# KiCad board hvd-68-vhdci-panel.kicad_pcb (continued)
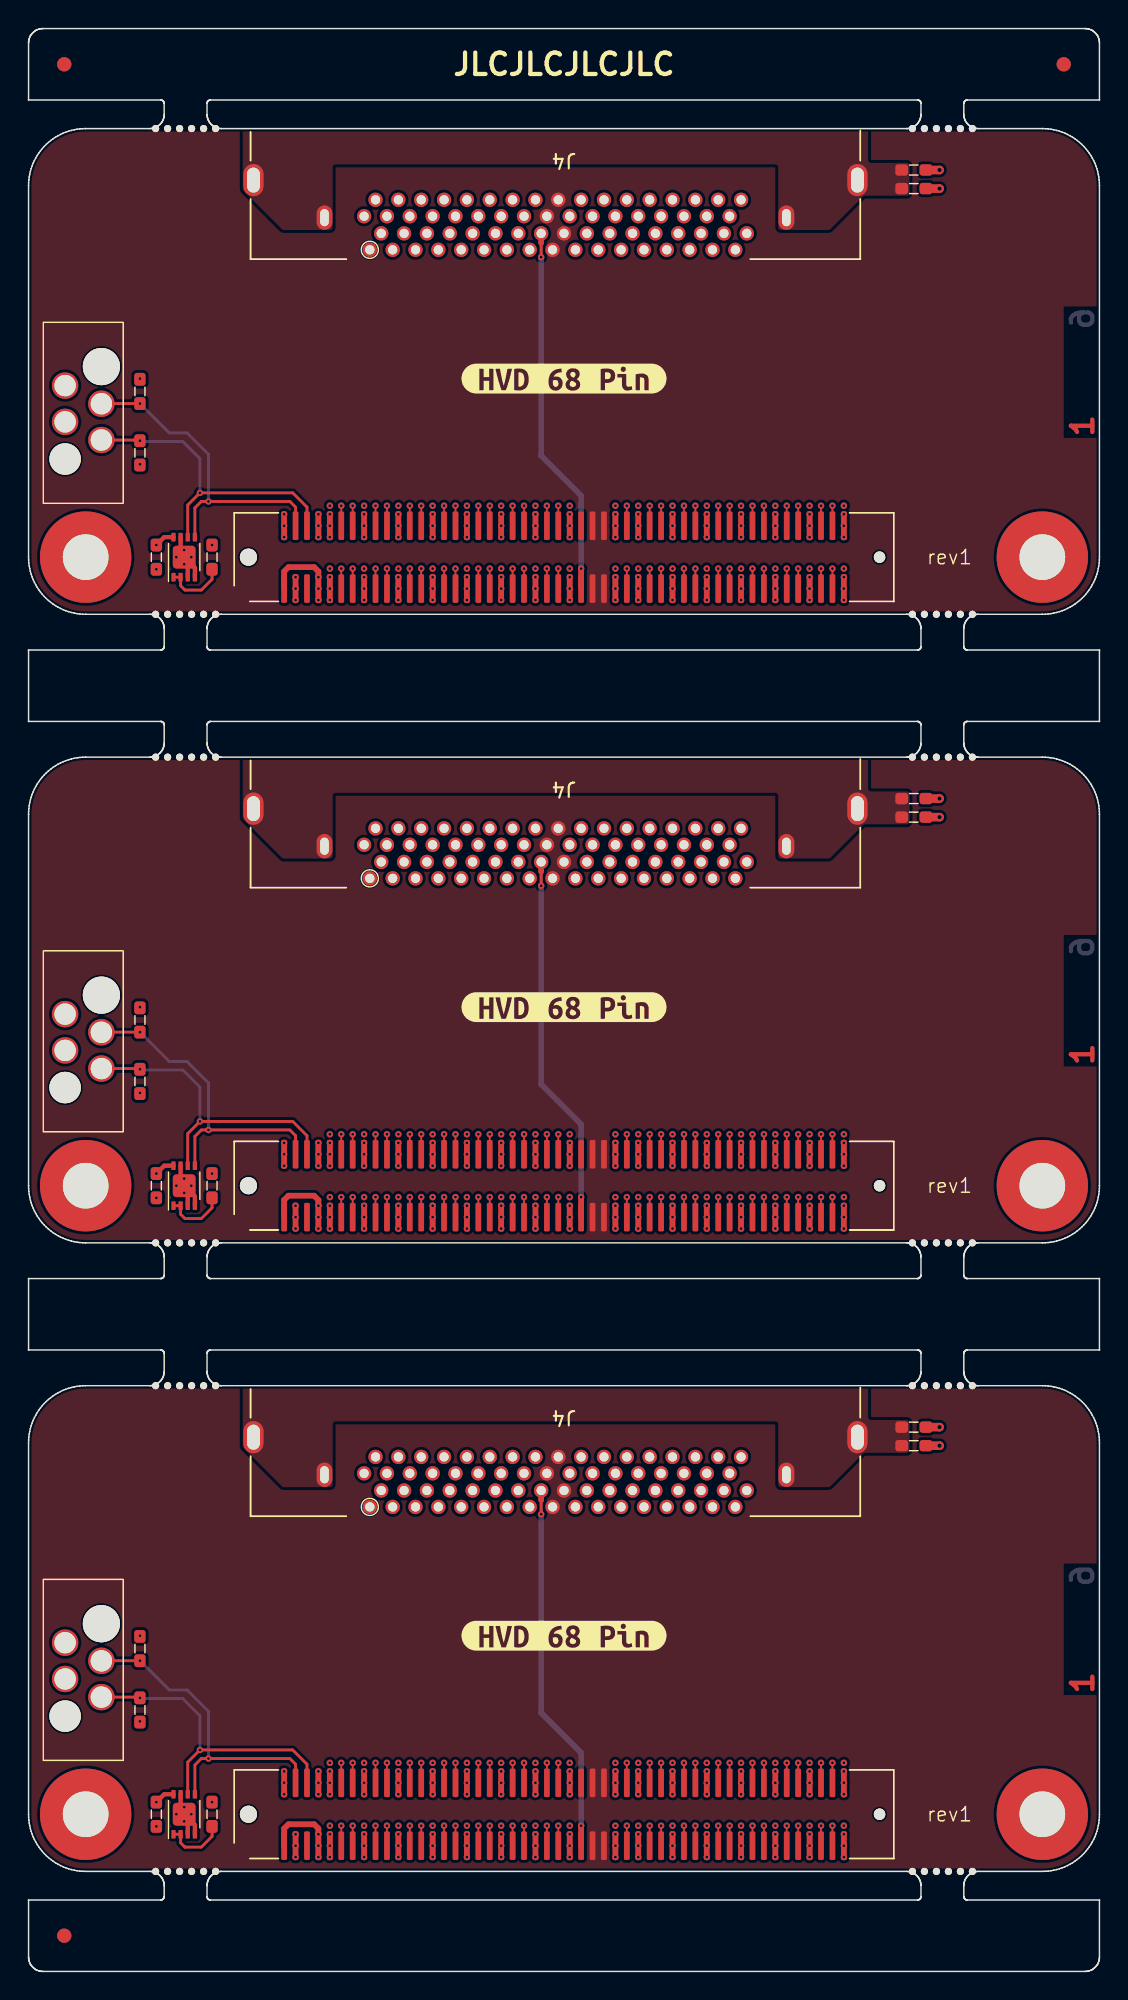
[diagram p0: board, top side]
## Routing (per net, layer and track width the routed paths; a pad name or vN(x,y) marks a point on that pad's centre or on a via; arc(x,y) is an arc through that point) (continued)
Board_1-/CON.DB13+: length 29.6
  Top w0.128: J1#2.13 v1(22.7,54.2)
  In3.Cu w0.128: v1(22.7,54.2) 23,54.5 23,58.9 24.9,60.8 24.9,62 arc(24.96,62.16) 25.12,62.22 arc(25.28,62.29) 25.34,62.44 25.34,62.6 arc(25.28,62.76) 25.12,62.82 arc(24.96,62.89) 24.9,63.04 24.9,63.2 arc(24.96,63.36) 25.12,63.42 arc(25.28,63.49) 25.34,63.64 25.34,63.8 arc(25.28,63.96) 25.12,64.02 arc(24.96,64.09) 24.9,64.24 24.9,64.4 arc(24.96,64.56) 25.12,64.62 arc(25.28,64.69) 25.34,64.84 25.34,65 arc(25.28,65.16) 25.12,65.22 arc(24.96,65.29) 24.9,65.44 24.9,65.6 arc(24.96,65.76) 25.12,65.82 arc(25.28,65.89) 25.34,66.04 25.34,66.2 arc(25.28,66.36) 25.12,66.42 arc(24.96,66.49) 24.9,66.64 24.9,66.8 arc(24.97,66.97) 25.14,67.04 25.15,67.04 arc(25.32,67.11) 25.39,67.28 25.39,67.4 arc(25.32,67.57) 25.15,67.64 25.14,67.64 arc(24.97,67.71) 24.9,67.88 24.9,68 arc(24.97,68.17) 25.14,68.24 25.15,68.24 arc(25.32,68.31) 25.39,68.48 25.39,68.6 arc(25.32,68.77) 25.15,68.84 25.14,68.84 arc(24.97,68.91) 24.9,69.08 24.9,69.2 arc(24.97,69.37) 25.14,69.44 25.15,69.44 arc(25.32,69.51) 25.39,69.68 25.39,69.8 arc(25.32,69.97) 25.15,70.04 25.14,70.04 arc(24.97,70.11) 24.9,70.28 24.9,76.1 24.7,76.3 J4#3.2
Board_1-/CON.DB13-: length 27
  Top w0.128: J1#2.14 v1(22.7,58.6)
  In2.Cu w0.128: J4#3.36 24.3,78.2 24.1,78 24.1,77.46 24.9,76.66 24.9,67.88 arc(24.97,67.71) 25.14,67.64 25.15,67.64 arc(25.32,67.57) 25.39,67.4 25.39,67.28 arc(25.32,67.11) 25.15,67.04 25.14,67.04 arc(24.97,66.97) 24.9,66.8 24.9,66.68 arc(24.97,66.51) 25.14,66.44 25.15,66.44 arc(25.32,66.37) 25.39,66.2 25.39,66.08 arc(25.32,65.91) 25.15,65.84 25.14,65.84 arc(24.97,65.77) 24.9,65.6 24.9,65.48 arc(24.97,65.31) 25.14,65.24 25.15,65.24 arc(25.32,65.17) 25.39,65 25.39,64.88 arc(25.32,64.71) 25.15,64.64 25.14,64.64 arc(24.97,64.57) 24.9,64.4 24.9,64.28 arc(24.97,64.11) 25.14,64.04 25.15,64.04 arc(25.32,63.97) 25.39,63.8 25.39,63.68 arc(25.32,63.51) 25.15,63.44 25.14,63.44 arc(24.97,63.37) 24.9,63.2 24.9,63.08 arc(24.97,62.91) 25.14,62.84 25.15,62.84 arc(25.32,62.77) 25.39,62.6 25.39,62.48 arc(25.32,62.31) 25.15,62.24 25.14,62.24 arc(24.97,62.17) 24.9,62 24.9,60.8 v1(22.7,58.6)
Board_1-/CON.DB14+: length 29.6
  Top w0.128: J1#2.17 v1(24.3,54.2)
  In3.Cu w0.128: v1(24.3,54.2) 24.7,54.6 24.7,59 26.1,60.4 26.1,62 arc(26.03,62.17) 25.86,62.24 25.85,62.24 arc(25.68,62.31) 25.61,62.48 25.61,62.6 arc(25.68,62.77) 25.85,62.84 25.86,62.84 arc(26.03,62.91) 26.1,63.08 26.1,63.2 arc(26.03,63.37) 25.86,63.44 25.85,63.44 arc(25.68,63.51) 25.61,63.68 25.61,63.8 arc(25.68,63.97) 25.85,64.04 25.86,64.04 arc(26.03,64.11) 26.1,64.28 26.1,64.4 arc(26.03,64.57) 25.86,64.64 25.85,64.64 arc(25.68,64.71) 25.61,64.88 25.61,65 arc(25.68,65.17) 25.85,65.24 25.86,65.24 arc(26.03,65.31) 26.1,65.48 26.1,65.6 arc(26.03,65.77) 25.86,65.84 25.85,65.84 arc(25.68,65.91) 25.61,66.08 25.61,66.2 arc(25.68,66.37) 25.85,66.44 25.86,66.44 arc(26.03,66.51) 26.1,66.68 26.1,66.8 arc(26.04,66.95) 25.88,67.02 arc(25.73,67.08) 25.67,67.23 25.67,67.4 arc(25.73,67.55) 25.88,67.62 arc(26.04,67.68) 26.1,67.83 26.1,68 arc(26.04,68.15) 25.88,68.22 arc(25.73,68.28) 25.67,68.43 25.67,68.6 arc(25.73,68.75) 25.88,68.82 arc(26.04,68.88) 26.1,69.03 26.1,69.2 arc(26.04,69.35) 25.88,69.42 arc(25.73,69.48) 25.67,69.63 25.67,69.8 arc(25.73,69.95) 25.88,70.02 arc(26.04,70.08) 26.1,70.23 26.1,70.4 arc(26.03,70.57) 25.86,70.64 25.85,70.64 arc(25.68,70.71) 25.61,70.88 25.61,71 arc(25.68,71.17) 25.85,71.24 25.86,71.24 arc(26.03,71.31) 26.1,71.48 26.1,71.6 arc(26.03,71.77) 25.86,71.84 25.85,71.84 arc(25.68,71.91) 25.61,72.08 25.61,72.2 arc(25.68,72.37) 25.85,72.44 25.86,72.44 arc(26.03,72.51) 26.1,72.68 26.1,75.92 J4#3.3
Board_1-/CON.DB14-: length 27
  Top w0.128: J1#2.18 v1(24.3,58.6)
  In2.Cu w0.128: v1(24.3,58.6) 26.1,60.4 26.1,62 arc(26.04,62.15) 25.89,62.22 arc(25.73,62.28) 25.67,62.43 25.67,62.6 arc(25.73,62.75) 25.89,62.82 arc(26.04,62.88) 26.1,63.03 26.1,63.2 arc(26.04,63.35) 25.89,63.42 arc(25.73,63.48) 25.67,63.63 25.67,63.8 arc(25.73,63.95) 25.89,64.02 arc(26.04,64.08) 26.1,64.23 26.1,64.4 arc(26.04,64.55) 25.89,64.62 arc(25.73,64.68) 25.67,64.83 25.67,65 arc(25.73,65.15) 25.89,65.22 arc(26.04,65.28) 26.1,65.43 26.1,65.6 arc(26.04,65.75) 25.89,65.82 arc(25.73,65.88) 25.67,66.03 25.67,66.2 arc(25.73,66.35) 25.89,66.42 arc(26.04,66.48) 26.1,66.63 26.1,66.8 arc(26.04,66.95) 25.89,67.02 arc(25.73,67.08) 25.67,67.23 25.67,67.4 arc(25.73,67.55) 25.89,67.62 arc(26.04,67.68) 26.1,67.83 26.1,68 arc(26.03,68.17) 25.86,68.24 25.85,68.24 arc(25.68,68.31) 25.61,68.48 25.61,68.6 arc(25.68,68.77) 25.85,68.84 25.86,68.84 arc(26.03,68.91) 26.1,69.08 26.1,69.2 arc(26.03,69.37) 25.86,69.44 25.85,69.44 arc(25.68,69.51) 25.61,69.68 25.61,69.8 arc(25.68,69.97) 25.85,70.04 25.86,70.04 arc(26.03,70.11) 26.1,70.28 26.1,70.4 arc(26.03,70.57) 25.86,70.64 25.85,70.64 arc(25.68,70.71) 25.61,70.88 25.61,71 arc(25.68,71.17) 25.85,71.24 25.86,71.24 arc(26.03,71.31) 26.1,71.48 26.1,76.7 25.3,77.5 25.3,78 25.1,78.2 J4#3.37
Board_1-/CON.DB15+: length 29.6
  Top w0.128: J1#2.19 v1(25.1,54.2)
  In3.Cu w0.128: J4#3.4 26.3,76.3 26.5,76.1 26.5,70.28 arc(26.57,70.11) 26.74,70.04 26.76,70.04 arc(26.93,69.97) 27,69.8 27,69.68 arc(26.93,69.51) 26.76,69.44 26.74,69.44 arc(26.57,69.37) 26.5,69.2 26.5,69.08 arc(26.57,68.91) 26.74,68.84 26.76,68.84 arc(26.93,68.77) 27,68.6 27,68.48 arc(26.93,68.31) 26.76,68.24 26.74,68.24 arc(26.57,68.17) 26.5,68 26.5,67.88 arc(26.57,67.71) 26.74,67.64 26.76,67.64 arc(26.93,67.57) 27,67.4 27,67.28 arc(26.93,67.11) 26.76,67.04 26.74,67.04 arc(26.57,66.97) 26.5,66.8 26.5,66.68 arc(26.57,66.51) 26.74,66.44 26.76,66.44 arc(26.93,66.37) 27,66.2 27,66.08 arc(26.93,65.91) 26.76,65.84 26.74,65.84 arc(26.57,65.77) 26.5,65.6 26.5,65.48 arc(26.57,65.31) 26.74,65.24 26.76,65.24 arc(26.93,65.17) 27,65 27,64.88 arc(26.93,64.71) 26.76,64.64 26.74,64.64 arc(26.57,64.57) 26.5,64.4 26.5,64.28 arc(26.57,64.11) 26.74,64.04 26.76,64.04 arc(26.93,63.97) 27,63.8 27,63.68 arc(26.93,63.51) 26.76,63.44 26.74,63.44 arc(26.57,63.37) 26.5,63.2 26.5,63.08 arc(26.57,62.91) 26.74,62.84 26.76,62.84 arc(26.93,62.77) 27,62.6 27,62.48 arc(26.93,62.31) 26.76,62.24 26.74,62.24 arc(26.57,62.17) 26.5,62 26.5,60 25.4,58.9 25.4,54.5 v1(25.1,54.2)
Board_1-/CON.DB15-: length 27
  Top w0.128: J1#2.20 v1(25.1,58.6)
  In2.Cu w0.128: J4#3.38 25.9,78.2 25.7,78 25.7,77.46 26.5,76.66 26.5,69.01 arc(26.56,68.87) 26.7,68.81 arc(26.85,68.75) 26.91,68.6 26.91,68.41 arc(26.85,68.27) 26.7,68.21 arc(26.56,68.15) 26.5,68 26.5,67.87 arc(26.57,67.71) 26.74,67.64 arc(26.9,67.57) 26.97,67.4 26.97,67.27 arc(26.9,67.11) 26.74,67.04 arc(26.57,66.97) 26.5,66.8 26.5,66.67 arc(26.57,66.51) 26.74,66.44 arc(26.9,66.37) 26.97,66.2 26.97,66.07 arc(26.9,65.91) 26.74,65.84 arc(26.57,65.77) 26.5,65.6 26.5,65.47 arc(26.57,65.31) 26.74,65.24 arc(26.9,65.17) 26.97,65 26.97,64.87 arc(26.9,64.71) 26.74,64.64 arc(26.57,64.57) 26.5,64.4 26.5,64.27 arc(26.57,64.11) 26.74,64.04 arc(26.9,63.97) 26.97,63.8 26.97,63.67 arc(26.9,63.51) 26.74,63.44 arc(26.57,63.37) 26.5,63.2 26.5,63.07 arc(26.57,62.91) 26.74,62.84 arc(26.9,62.77) 26.97,62.6 26.97,62.47 arc(26.9,62.31) 26.74,62.24 arc(26.57,62.17) 26.5,62 26.5,60 v1(25.1,58.6)
Board_1-/CON.DIFFSENSE: length 27.7
  Top w0.2: 35.9,77 v1(35.9,76)
  Top w0.4: J1#2.53 v1(38.7,54.2) ; J4#3.16 35.9,77
  Bottom w0.2: 35.9,77 v1(35.9,76)
  Bottom w0.4: J4#3.16 35.9,77 ; v1(38.7,54.2) 38.7,59.3 35.9,62.1 v1(35.9,76)
Board_1-/CON.DP0+: length 29.6
  Top w0.128: J1#2.49 v1(37.1,54.2)
  In3.Cu w0.128: v1(37.1,54.2) 36.7,54.6 36.7,59 34.5,61.2 34.5,62 arc(34.57,62.17) 34.74,62.24 34.75,62.24 arc(34.92,62.31) 34.99,62.48 34.99,62.6 arc(34.92,62.77) 34.75,62.84 34.74,62.84 arc(34.57,62.91) 34.5,63.08 34.5,63.2 arc(34.57,63.37) 34.74,63.44 34.75,63.44 arc(34.92,63.51) 34.99,63.68 34.99,63.8 arc(34.92,63.97) 34.75,64.04 34.74,64.04 arc(34.57,64.11) 34.5,64.28 34.5,64.4 arc(34.57,64.57) 34.74,64.64 34.75,64.64 arc(34.92,64.71) 34.99,64.88 34.99,65 arc(34.92,65.17) 34.75,65.24 34.74,65.24 arc(34.57,65.31) 34.5,65.48 34.5,65.6 arc(34.57,65.77) 34.74,65.84 34.75,65.84 arc(34.92,65.91) 34.99,66.08 34.99,66.2 arc(34.92,66.37) 34.75,66.44 34.74,66.44 arc(34.57,66.51) 34.5,66.68 34.5,66.8 arc(34.57,66.97) 34.74,67.04 34.75,67.04 arc(34.92,67.11) 34.99,67.28 34.99,67.4 arc(34.92,67.57) 34.75,67.64 34.74,67.64 arc(34.57,67.71) 34.5,67.88 34.5,68 arc(34.57,68.17) 34.74,68.24 34.75,68.24 arc(34.92,68.31) 34.99,68.48 34.99,68.6 arc(34.92,68.77) 34.75,68.84 34.74,68.84 arc(34.57,68.91) 34.5,69.08 34.5,69.2 arc(34.57,69.37) 34.74,69.44 34.75,69.44 arc(34.92,69.51) 34.99,69.68 34.99,69.8 arc(34.92,69.97) 34.75,70.04 34.74,70.04 arc(34.57,70.11) 34.5,70.28 34.5,70.4 arc(34.57,70.57) 34.74,70.64 34.75,70.64 arc(34.92,70.71) 34.99,70.88 34.99,71 arc(34.92,71.17) 34.75,71.24 34.74,71.24 arc(34.57,71.31) 34.5,71.48 34.5,75.92 J4#3.15
Board_1-/CON.DP0-: length 27
  Top w0.128: J1#2.50 v1(37.1,58.6)
  In2.Cu w0.128: J4#3.49 34.7,78.2 34.9,78 34.9,77.3 34.5,76.9 34.5,70.28 arc(34.57,70.11) 34.74,70.04 34.75,70.04 arc(34.92,69.97) 34.99,69.8 34.99,69.68 arc(34.92,69.51) 34.75,69.44 34.74,69.44 arc(34.57,69.37) 34.5,69.2 34.5,69.08 arc(34.57,68.91) 34.74,68.84 34.75,68.84 arc(34.92,68.77) 34.99,68.6 34.99,68.48 arc(34.92,68.31) 34.75,68.24 34.74,68.24 arc(34.57,68.17) 34.5,68 34.5,67.88 arc(34.57,67.71) 34.74,67.64 34.75,67.64 arc(34.92,67.57) 34.99,67.4 34.99,67.28 arc(34.92,67.11) 34.75,67.04 34.74,67.04 arc(34.57,66.97) 34.5,66.8 34.5,66.68 arc(34.57,66.51) 34.74,66.44 34.75,66.44 arc(34.92,66.37) 34.99,66.2 34.99,66.08 arc(34.92,65.91) 34.75,65.84 34.74,65.84 arc(34.57,65.77) 34.5,65.6 34.5,65.48 arc(34.57,65.31) 34.74,65.24 34.75,65.24 arc(34.92,65.17) 34.99,65 34.99,64.88 arc(34.92,64.71) 34.75,64.64 34.74,64.64 arc(34.57,64.57) 34.5,64.4 34.5,64.28 arc(34.57,64.11) 34.74,64.04 34.75,64.04 arc(34.92,63.97) 34.99,63.8 34.99,63.68 arc(34.92,63.51) 34.75,63.44 34.74,63.44 arc(34.57,63.37) 34.5,63.2 34.5,63.08 arc(34.57,62.91) 34.74,62.84 34.75,62.84 arc(34.92,62.77) 34.99,62.6 34.99,62.48 arc(34.92,62.31) 34.75,62.24 34.74,62.24 arc(34.57,62.17) 34.5,62 34.5,61.2 v1(37.1,58.6)
Board_1-/CON.DP1+: length 29.6
  Top w0.128: J1#2.23 v1(26.7,54.2)
  In3.Cu w0.128: J4#3.5 27.7,75.92 27.7,75.08 arc(27.63,74.91) 27.46,74.84 27.45,74.84 arc(27.29,74.77) 27.21,74.6 27.21,74.48 arc(27.29,74.31) 27.45,74.24 27.46,74.24 arc(27.63,74.17) 27.7,74 27.7,73.88 arc(27.63,73.71) 27.46,73.64 27.45,73.64 arc(27.29,73.57) 27.21,73.4 27.21,73.28 arc(27.29,73.11) 27.45,73.04 27.46,73.04 arc(27.63,72.97) 27.7,72.8 27.7,72.68 arc(27.63,72.51) 27.46,72.44 27.45,72.44 arc(27.29,72.37) 27.21,72.2 27.21,72.08 arc(27.29,71.91) 27.45,71.84 27.46,71.84 arc(27.63,71.77) 27.7,71.6 27.7,71.48 arc(27.63,71.31) 27.46,71.24 27.45,71.24 arc(27.29,71.17) 27.21,71 27.21,70.88 arc(27.29,70.71) 27.45,70.64 27.46,70.64 arc(27.63,70.57) 27.7,70.4 27.7,70.18 arc(27.65,70.04) 27.51,69.99 arc(27.38,69.93) 27.33,69.8 27.33,69.58 arc(27.38,69.44) 27.51,69.39 arc(27.65,69.33) 27.7,69.2 27.7,68.98 arc(27.65,68.84) 27.51,68.79 arc(27.38,68.73) 27.33,68.6 27.33,68.38 arc(27.38,68.24) 27.51,68.19 arc(27.65,68.13) 27.7,68 27.7,67.78 arc(27.65,67.64) 27.51,67.59 arc(27.38,67.53) 27.33,67.4 27.33,67.18 arc(27.38,67.04) 27.51,66.99 arc(27.65,66.93) 27.7,66.8 27.7,66.58 arc(27.65,66.44) 27.51,66.39 arc(27.38,66.33) 27.33,66.2 27.33,65.98 arc(27.38,65.84) 27.51,65.79 arc(27.65,65.73) 27.7,65.6 27.7,65.38 arc(27.65,65.24) 27.51,65.19 arc(27.38,65.13) 27.33,65 27.33,64.78 arc(27.38,64.64) 27.51,64.59 arc(27.65,64.53) 27.7,64.4 27.7,64.18 arc(27.65,64.04) 27.51,63.99 arc(27.38,63.93) 27.33,63.8 27.33,63.58 arc(27.38,63.44) 27.51,63.39 arc(27.65,63.33) 27.7,63.2 27.7,62.98 arc(27.65,62.84) 27.51,62.79 arc(27.38,62.73) 27.33,62.6 27.33,62.38 arc(27.38,62.24) 27.51,62.19 arc(27.65,62.13) 27.7,62 27.7,59.6 27.1,59 27.1,54.6 v1(26.7,54.2)
Board_1-/CON.DP1-: length 27
  Top w0.128: J1#2.24 v1(26.7,58.6)
  In2.Cu w0.128: v1(26.7,58.6) 27.7,59.6 27.7,62 arc(27.64,62.15) 27.5,62.21 arc(27.35,62.26) 27.29,62.41 27.29,62.6 arc(27.35,62.75) 27.5,62.81 arc(27.64,62.86) 27.7,63.01 27.7,63.2 arc(27.64,63.35) 27.5,63.41 arc(27.35,63.46) 27.29,63.61 27.29,63.8 arc(27.35,63.95) 27.5,64.01 arc(27.64,64.06) 27.7,64.21 27.7,64.4 arc(27.64,64.55) 27.5,64.61 arc(27.35,64.66) 27.29,64.81 27.29,65 arc(27.35,65.15) 27.5,65.21 arc(27.64,65.26) 27.7,65.41 27.7,65.6 arc(27.64,65.75) 27.5,65.81 arc(27.35,65.86) 27.29,66.01 27.29,66.2 arc(27.35,66.35) 27.5,66.41 arc(27.64,66.46) 27.7,66.61 27.7,66.8 arc(27.64,66.95) 27.5,67.01 arc(27.35,67.06) 27.29,67.21 27.29,67.4 arc(27.35,67.55) 27.5,67.61 arc(27.64,67.66) 27.7,67.81 27.7,68 arc(27.63,68.17) 27.46,68.24 arc(27.3,68.31) 27.23,68.47 27.23,68.6 arc(27.3,68.77) 27.46,68.84 arc(27.63,68.91) 27.7,69.07 27.7,69.2 arc(27.63,69.37) 27.46,69.44 arc(27.3,69.51) 27.23,69.67 27.23,69.8 arc(27.3,69.97) 27.46,70.04 arc(27.63,70.11) 27.7,70.27 27.7,70.4 arc(27.63,70.57) 27.46,70.64 arc(27.3,70.71) 27.23,70.87 27.23,71 arc(27.3,71.17) 27.46,71.24 arc(27.63,71.31) 27.7,71.47 27.7,71.6 arc(27.63,71.77) 27.46,71.84 arc(27.3,71.91) 27.23,72.07 27.23,72.2 arc(27.3,72.37) 27.46,72.44 arc(27.63,72.51) 27.7,72.67 27.7,76.7 26.9,77.5 26.9,78 26.7,78.2 J4#3.39
Board_1-/CON.I/O+: length 29.6
  Top w0.128: J1#2.85 v1(51.5,54.2)
  In3.Cu w0.128: v1(51.5,54.2) 51.1,54.6 51.1,59 45.7,64.4 45.7,66 arc(45.77,66.17) 45.94,66.24 arc(46.1,66.31) 46.17,66.47 46.17,66.6 arc(46.1,66.77) 45.94,66.84 arc(45.77,66.91) 45.7,67.07 45.7,67.2 arc(45.77,67.37) 45.94,67.44 arc(46.1,67.51) 46.17,67.67 46.17,67.8 arc(46.1,67.97) 45.94,68.04 arc(45.77,68.11) 45.7,68.27 45.7,68.4 arc(45.77,68.57) 45.94,68.64 arc(46.1,68.71) 46.17,68.87 46.17,69 arc(46.1,69.17) 45.94,69.24 arc(45.77,69.31) 45.7,69.47 45.7,69.6 arc(45.77,69.77) 45.94,69.84 arc(46.1,69.91) 46.17,70.07 46.17,70.2 arc(46.1,70.37) 45.94,70.44 arc(45.77,70.51) 45.7,70.67 45.7,70.8 arc(45.77,70.97) 45.94,71.04 arc(46.1,71.11) 46.17,71.27 46.17,71.4 arc(46.1,71.57) 45.94,71.64 arc(45.77,71.71) 45.7,71.87 45.7,72 arc(45.77,72.17) 45.94,72.24 arc(46.1,72.31) 46.17,72.47 46.17,72.6 arc(46.1,72.77) 45.94,72.84 arc(45.77,72.91) 45.7,73.07 45.7,75.92 J4#3.29
Board_1-/CON.I/O-: length 27
  Top w0.128: J1#2.86 v1(51.5,58.6)
  In2.Cu w0.128: J4#3.63 45.9,78.2 46.1,78 46.1,77.3 45.7,76.9 45.7,71.87 arc(45.77,71.7) 45.93,71.63 arc(46.1,71.57) 46.16,71.4 46.16,71.27 arc(46.1,71.1) 45.93,71.03 arc(45.77,70.97) 45.7,70.8 45.7,70.67 arc(45.77,70.5) 45.93,70.43 arc(46.1,70.37) 46.16,70.2 46.16,70.07 arc(46.1,69.9) 45.93,69.83 arc(45.77,69.77) 45.7,69.6 45.7,69.47 arc(45.77,69.3) 45.93,69.23 arc(46.1,69.17) 46.16,69 46.16,68.87 arc(46.1,68.7) 45.93,68.63 arc(45.77,68.57) 45.7,68.4 45.7,68.27 arc(45.77,68.1) 45.93,68.03 arc(46.1,67.97) 46.16,67.8 46.16,67.67 arc(46.1,67.5) 45.93,67.43 arc(45.77,67.37) 45.7,67.2 45.7,67.07 arc(45.77,66.9) 45.93,66.83 arc(46.1,66.77) 46.16,66.6 46.16,66.47 arc(46.1,66.3) 45.93,66.23 arc(45.77,66.17) 45.7,66 45.7,64.4 v1(51.5,58.6)
Board_1-/CON.MSG+: length 29.6
  Top w0.128: J1#2.73 v1(46.7,54.2)
  In3.Cu w0.128: J4#3.25 42.5,75.92 42.5,74.28 arc(42.57,74.11) 42.74,74.04 42.74,74.04 arc(42.91,73.97) 42.98,73.8 42.98,73.68 arc(42.91,73.51) 42.74,73.44 42.74,73.44 arc(42.57,73.37) 42.5,73.2 42.5,73.08 arc(42.57,72.91) 42.74,72.84 42.74,72.84 arc(42.91,72.77) 42.98,72.6 42.98,72.48 arc(42.91,72.31) 42.74,72.24 42.74,72.24 arc(42.57,72.17) 42.5,72 42.5,71.88 arc(42.57,71.71) 42.74,71.64 42.74,71.64 arc(42.91,71.57) 42.98,71.4 42.98,71.28 arc(42.91,71.11) 42.74,71.04 42.74,71.04 arc(42.57,70.97) 42.5,70.8 42.5,70.68 arc(42.57,70.51) 42.74,70.44 42.74,70.44 arc(42.91,70.37) 42.98,70.2 42.98,70.08 arc(42.91,69.91) 42.74,69.84 42.74,69.84 arc(42.57,69.77) 42.5,69.6 42.5,69.48 arc(42.57,69.31) 42.74,69.24 42.74,69.24 arc(42.91,69.17) 42.98,69 42.98,68.88 arc(42.91,68.71) 42.74,68.64 42.74,68.64 arc(42.57,68.57) 42.5,68.4 42.5,68.28 arc(42.57,68.11) 42.74,68.04 42.74,68.04 arc(42.91,67.97) 42.98,67.8 42.98,67.68 arc(42.91,67.51) 42.74,67.44 42.74,67.44 arc(42.57,67.37) 42.5,67.2 42.5,67.08 arc(42.57,66.91) 42.74,66.84 42.74,66.84 arc(42.91,66.77) 42.98,66.6 42.98,66.48 arc(42.91,66.31) 42.74,66.24 42.74,66.24 arc(42.57,66.17) 42.5,66 42.5,62.8 46.3,59 46.3,54.6 v1(46.7,54.2)
Board_1-/CON.MSG-: length 27
  Top w0.128: J1#2.74 v1(46.7,58.6)
  In2.Cu w0.128: J4#3.59 42.7,78.2 42.9,78 42.9,77.3 42.5,76.9 42.5,74.17 arc(42.55,74.04) 42.69,73.99 arc(42.82,73.93) 42.87,73.8 42.87,73.57 arc(42.82,73.44) 42.69,73.39 arc(42.55,73.33) 42.5,73.2 42.5,73.02 arc(42.56,72.87) 42.71,72.81 arc(42.86,72.75) 42.92,72.6 42.92,72.42 arc(42.86,72.27) 42.71,72.21 arc(42.56,72.15) 42.5,72 42.5,71.82 arc(42.56,71.67) 42.71,71.61 arc(42.86,71.55) 42.92,71.4 42.92,71.22 arc(42.86,71.07) 42.71,71.01 arc(42.56,70.95) 42.5,70.8 42.5,70.62 arc(42.56,70.47) 42.71,70.41 arc(42.86,70.35) 42.92,70.2 42.92,70.02 arc(42.86,69.87) 42.71,69.81 arc(42.56,69.75) 42.5,69.6 42.5,69.42 arc(42.56,69.27) 42.71,69.21 arc(42.86,69.15) 42.92,69 42.92,68.82 arc(42.86,68.67) 42.71,68.61 arc(42.56,68.55) 42.5,68.4 42.5,68.22 arc(42.56,68.07) 42.71,68.01 arc(42.86,67.95) 42.92,67.8 42.92,67.62 arc(42.86,67.47) 42.71,67.41 arc(42.56,67.35) 42.5,67.2 42.5,67.02 arc(42.56,66.87) 42.71,66.81 arc(42.86,66.75) 42.92,66.6 42.92,66.42 arc(42.86,66.27) 42.71,66.21 arc(42.56,66.15) 42.5,66 42.5,62.8 v1(46.7,58.6)
Board_1-/CON.REQ+: length 29.6
  Top w0.128: J1#2.83 v1(50.7,54.2)
  In3.Cu w0.128: J4#3.28 45.5,76.3 45.3,76.1 45.3,71.82 arc(45.24,71.68) 45.09,71.61 arc(44.94,71.55) 44.88,71.4 44.88,71.22 arc(44.94,71.08) 45.09,71.01 arc(45.24,70.95) 45.3,70.8 45.3,70.62 arc(45.24,70.48) 45.09,70.41 arc(44.94,70.35) 44.88,70.2 44.88,70.02 arc(44.94,69.88) 45.09,69.81 arc(45.24,69.75) 45.3,69.6 45.3,69.42 arc(45.24,69.28) 45.09,69.21 arc(44.94,69.15) 44.88,69 44.88,68.82 arc(44.94,68.68) 45.09,68.61 arc(45.24,68.55) 45.3,68.4 45.3,68.22 arc(45.24,68.08) 45.09,68.01 arc(44.94,67.95) 44.88,67.8 44.88,67.62 arc(44.94,67.48) 45.09,67.41 arc(45.24,67.35) 45.3,67.2 45.3,67.02 arc(45.24,66.88) 45.09,66.81 arc(44.94,66.75) 44.88,66.6 44.88,66.42 arc(44.94,66.28) 45.09,66.21 arc(45.24,66.15) 45.3,66 45.3,64 50.4,58.9 50.4,54.5 v1(50.7,54.2)
Board_1-/CON.REQ-: length 27
  Top w0.128: J1#2.84 v1(50.7,58.6)
  In2.Cu w0.128: v1(50.7,58.6) 45.3,64 45.3,66 arc(45.23,66.17) 45.06,66.24 45.06,66.24 arc(44.89,66.31) 44.82,66.48 44.82,66.6 arc(44.89,66.77) 45.06,66.84 45.06,66.84 arc(45.23,66.91) 45.3,67.08 45.3,67.2 arc(45.23,67.37) 45.06,67.44 45.06,67.44 arc(44.89,67.51) 44.82,67.68 44.82,67.8 arc(44.89,67.97) 45.06,68.04 45.06,68.04 arc(45.23,68.11) 45.3,68.28 45.3,68.4 arc(45.23,68.57) 45.06,68.64 45.06,68.64 arc(44.89,68.71) 44.82,68.88 44.82,69 arc(44.89,69.17) 45.06,69.24 45.06,69.24 arc(45.23,69.31) 45.3,69.48 45.3,76.9 44.9,77.3 44.9,78 45.1,78.2 J4#3.62
Board_1-/CON.RST+: length 29.6
  Top w0.128: J1#2.71 v1(45.9,54.2)
  In3.Cu w0.128: J4#3.24 42.3,76.3 42.1,76.1 42.1,73 arc(42.04,72.86) 41.9,72.8 arc(41.76,72.74) 41.71,72.6 41.71,72.4 arc(41.76,72.26) 41.9,72.2 arc(42.04,72.14) 42.1,72 42.1,71.86 arc(42.03,71.7) 41.87,71.63 arc(41.71,71.56) 41.64,71.4 41.64,71.26 arc(41.71,71.1) 41.87,71.03 arc(42.03,70.96) 42.1,70.8 42.1,70.66 arc(42.03,70.5) 41.87,70.43 arc(41.71,70.36) 41.64,70.2 41.64,70.06 arc(41.71,69.9) 41.87,69.83 arc(42.03,69.76) 42.1,69.6 42.1,69.46 arc(42.03,69.3) 41.87,69.23 arc(41.71,69.16) 41.64,69 41.64,68.86 arc(41.71,68.7) 41.87,68.63 arc(42.03,68.56) 42.1,68.4 42.1,68.26 arc(42.03,68.1) 41.87,68.03 arc(41.71,67.96) 41.64,67.8 41.64,67.66 arc(41.71,67.5) 41.87,67.43 arc(42.03,67.36) 42.1,67.2 42.1,67.06 arc(42.03,66.9) 41.87,66.83 arc(41.71,66.76) 41.64,66.6 41.64,66.46 arc(41.71,66.3) 41.87,66.23 arc(42.03,66.16) 42.1,66 42.1,62.4 45.6,58.9 45.6,54.5 v1(45.9,54.2)
Board_1-/CON.RST-: length 27
  Top w0.128: J1#2.72 v1(45.9,58.6)
  In2.Cu w0.128: J4#3.58 41.9,78.2 41.7,78 41.7,77.3 42.1,76.9 42.1,70.68 arc(42.03,70.51) 41.86,70.44 41.84,70.44 arc(41.67,70.37) 41.6,70.2 41.6,70.08 arc(41.67,69.91) 41.84,69.84 41.86,69.84 arc(42.03,69.77) 42.1,69.6 42.1,69.48 arc(42.03,69.31) 41.86,69.24 41.84,69.24 arc(41.67,69.17) 41.6,69 41.6,68.88 arc(41.67,68.71) 41.84,68.64 41.86,68.64 arc(42.03,68.57) 42.1,68.4 42.1,68.28 arc(42.03,68.11) 41.86,68.04 41.84,68.04 arc(41.67,67.97) 41.6,67.8 41.6,67.68 arc(41.67,67.51) 41.84,67.44 41.86,67.44 arc(42.03,67.37) 42.1,67.2 42.1,67.08 arc(42.03,66.91) 41.86,66.84 41.84,66.84 arc(41.67,66.77) 41.6,66.6 41.6,66.48 arc(41.67,66.31) 41.84,66.24 41.86,66.24 arc(42.03,66.17) 42.1,66 42.1,62.4 v1(45.9,58.6)
Board_1-/CON.SEL+: length 29.6
  Top w0.128: J1#2.77 v1(48.3,54.2)
  In3.Cu w0.128: J4#3.26 43.9,76.3 43.7,76.1 43.7,73 arc(43.64,72.86) 43.5,72.8 arc(43.36,72.74) 43.3,72.6 43.3,72.4 arc(43.36,72.26) 43.5,72.2 arc(43.64,72.14) 43.7,72 43.7,71.8 arc(43.64,71.66) 43.5,71.6 arc(43.36,71.54) 43.3,71.4 43.3,71.2 arc(43.36,71.06) 43.5,71 arc(43.64,70.94) 43.7,70.8 43.7,70.6 arc(43.64,70.46) 43.5,70.4 arc(43.36,70.34) 43.3,70.2 43.3,70 arc(43.36,69.86) 43.5,69.8 arc(43.64,69.74) 43.7,69.6 43.7,69.4 arc(43.64,69.26) 43.5,69.2 arc(43.36,69.14) 43.3,69 43.3,68.8 arc(43.36,68.66) 43.5,68.6 arc(43.64,68.54) 43.7,68.4 43.7,68.2 arc(43.64,68.06) 43.5,68 arc(43.36,67.94) 43.3,67.8 43.3,67.6 arc(43.36,67.46) 43.5,67.4 arc(43.64,67.34) 43.7,67.2 43.7,67 arc(43.64,66.86) 43.5,66.8 arc(43.36,66.74) 43.3,66.6 43.3,66.4 arc(43.36,66.26) 43.5,66.2 arc(43.64,66.14) 43.7,66 43.7,63.2 48,58.9 48,54.5 v1(48.3,54.2)
Board_1-/CON.SEL-: length 27
  Top w0.128: J1#2.78 v1(48.3,58.6)
  In2.Cu w0.128: v1(48.3,58.6) 43.7,63.2 43.7,66 arc(43.64,66.16) 43.48,66.22 arc(43.33,66.28) 43.26,66.44 43.26,66.6 arc(43.33,66.76) 43.48,66.82 arc(43.64,66.88) 43.7,67.04 43.7,67.2 arc(43.64,67.36) 43.48,67.42 arc(43.33,67.48) 43.26,67.64 43.26,67.8 arc(43.33,67.96) 43.48,68.02 arc(43.64,68.08) 43.7,68.24 43.7,68.4 arc(43.64,68.56) 43.48,68.62 arc(43.33,68.68) 43.26,68.84 43.26,69 arc(43.33,69.16) 43.48,69.22 arc(43.64,69.28) 43.7,69.44 43.7,69.6 arc(43.64,69.76) 43.48,69.82 arc(43.33,69.88) 43.26,70.04 43.26,70.2 arc(43.33,70.36) 43.48,70.42 arc(43.64,70.48) 43.7,70.64 43.7,76.9 43.3,77.3 43.3,78 43.5,78.2 J4#3.60
Board_1-/PHY.ID_SCL: length 22.5
  Top w0.2: v1(7.8,63.15) 7.45,63.15 7.4,63.2 J3#3.4 ; J1#2.6 19.5,58.5 18.5,59.5 v1(12,59.5) 11.15,58.65 U1#2.6
  Bottom w0.2: v1(7.8,63.15) 7.85,63.1 10.8,63.1 12,61.9 v1(12,59.5)
Board_1-/PHY.ID_SDA: length 23
  Top w0.2: J1#2.4 18.7,58.5 18.3,58.9 12.1,58.9 11.65,58.45 U1#2.5 ; v1(7.8,65.75) 5.11,65.75 J3#3.2
  Bottom w0.2: v1(12.6,58.9) 12.6,62.2 11.1,63.7 9.85,63.7 v1(7.8,65.75)
Board_1-GND: length 9.9
  Top w0.3: U1#2.EP 11.65,54.25 U1#2.4 ; v1(10.9,54.5) 11.15,54.25 U1#2.3 ; U1#2.7 10.65,55.75 v1(10.9,55.5)
  Top w0.4: J1#2.1 17.9,54 18.2,54.3 20,54.3 20.3,54 v1(20.3,53.6)
  Top w0.6: R4.1 v2(63.8,80.8) ; C2#2.2 v2(63.8,82.1)
  vias: v1(8.95,54.15) v1(10.35,55) v1(11.4,55) v1(17.9,58) v1(17.9,57.2) v1(17.9,56.4) v1(20.3,58) v1(20.3,57.2) v1(20.3,56.4) v1(20.3,52.8) v1(20.3,52) v1(21.1,58.6) v1(21.1,58) v1(21.1,57.2) v1(21.1,56.4) v1(21.1,54.2) v1(21.1,53.6) v1(21.1,52.8) v1(21.1,52) v1(23.5,58.6) v1(23.5,58) v1(23.5,57.2) v1(23.5,56.4) v1(23.5,54.2) v1(23.5,53.6) v1(23.5,52.8) v1(23.5,52) v1(25.9,58.6) v1(25.9,58) v1(25.9,57.2) v1(25.9,56.4) v1(25.9,54.2) v1(25.9,53.6) v1(25.9,52.8) v1(25.9,52) v1(28.3,58.6) v1(28.3,58) v1(28.3,57.2) v1(28.3,56.4) v1(28.3,54.2) v1(28.3,53.6) v1(28.3,52.8) v1(28.3,52) v1(30.7,58.6) v1(30.7,58) v1(30.7,57.2) v1(30.7,56.4) v1(30.7,54.2) v1(30.7,53.6) v1(30.7,52.8) v1(30.7,52) v1(33.1,58.6) v1(33.1,58) v1(33.1,57.2) v1(33.1,56.4) v1(33.1,54.2) v1(33.1,53.6) v1(33.1,52.8) v1(33.1,52) v1(35.5,58.6) v1(35.5,58) v1(35.5,57.2) v1(35.5,56.4) v1(35.5,54.2) v1(35.5,53.6) v1(35.5,52.8) v1(35.5,52) v1(37.9,58.6) v1(37.9,58) v1(37.9,57.2) v1(37.9,56.4) v1(37.9,54.2) v1(37.9,53.6) v1(37.9,52.8) v1(37.9,52) v1(41.1,58.6) v1(41.1,58) v1(41.1,57.2) v1(41.1,56.4) v1(41.1,54.2) v1(41.1,53.6) v1(41.1,52.8) v1(41.1,52) v1(42.7,58.6) v1(42.7,58) v1(42.7,57.2) v1(42.7,56.4) v1(42.7,54.2) v1(42.7,53.6) v1(42.7,52.8) v1(42.7,52) v1(45.1,58.6) v1(45.1,58) v1(45.1,57.2) v1(45.1,56.4) v1(45.1,54.2) v1(45.1,53.6) v1(45.1,52.8) v1(45.1,52) v1(47.5,58.6) v1(47.5,58) v1(47.5,57.2) v1(47.5,56.4) v1(47.5,54.2) v1(47.5,53.6) v1(47.5,52.8) v1(47.5,52) v1(49.9,58.6) v1(49.9,58) v1(49.9,57.2) v1(49.9,56.4) v1(49.9,54.2) v1(49.9,53.6) v1(49.9,52.8) v1(49.9,52) v1(52.3,58.6) v1(52.3,58) v1(52.3,57.2) v1(52.3,56.4) v1(52.3,54.2) v1(52.3,53.6) v1(52.3,52.8) v1(52.3,52) v1(54.7,58.6) v1(54.7,58) v1(54.7,57.2) v1(54.7,56.4) v1(54.7,54.2) v1(54.7,53.6) v1(54.7,52.8) v1(54.7,52) v1(57.1,58.6) v1(57.1,58) v1(57.1,57.2) v1(57.1,56.4) v1(57.1,54.2) v1(57.1,53.6) v1(57.1,52.8) v1(57.1,52)
